# Altium PCB RTM_4SFP_3QSFP.PcbDoc (part 4 of 4) (continued)
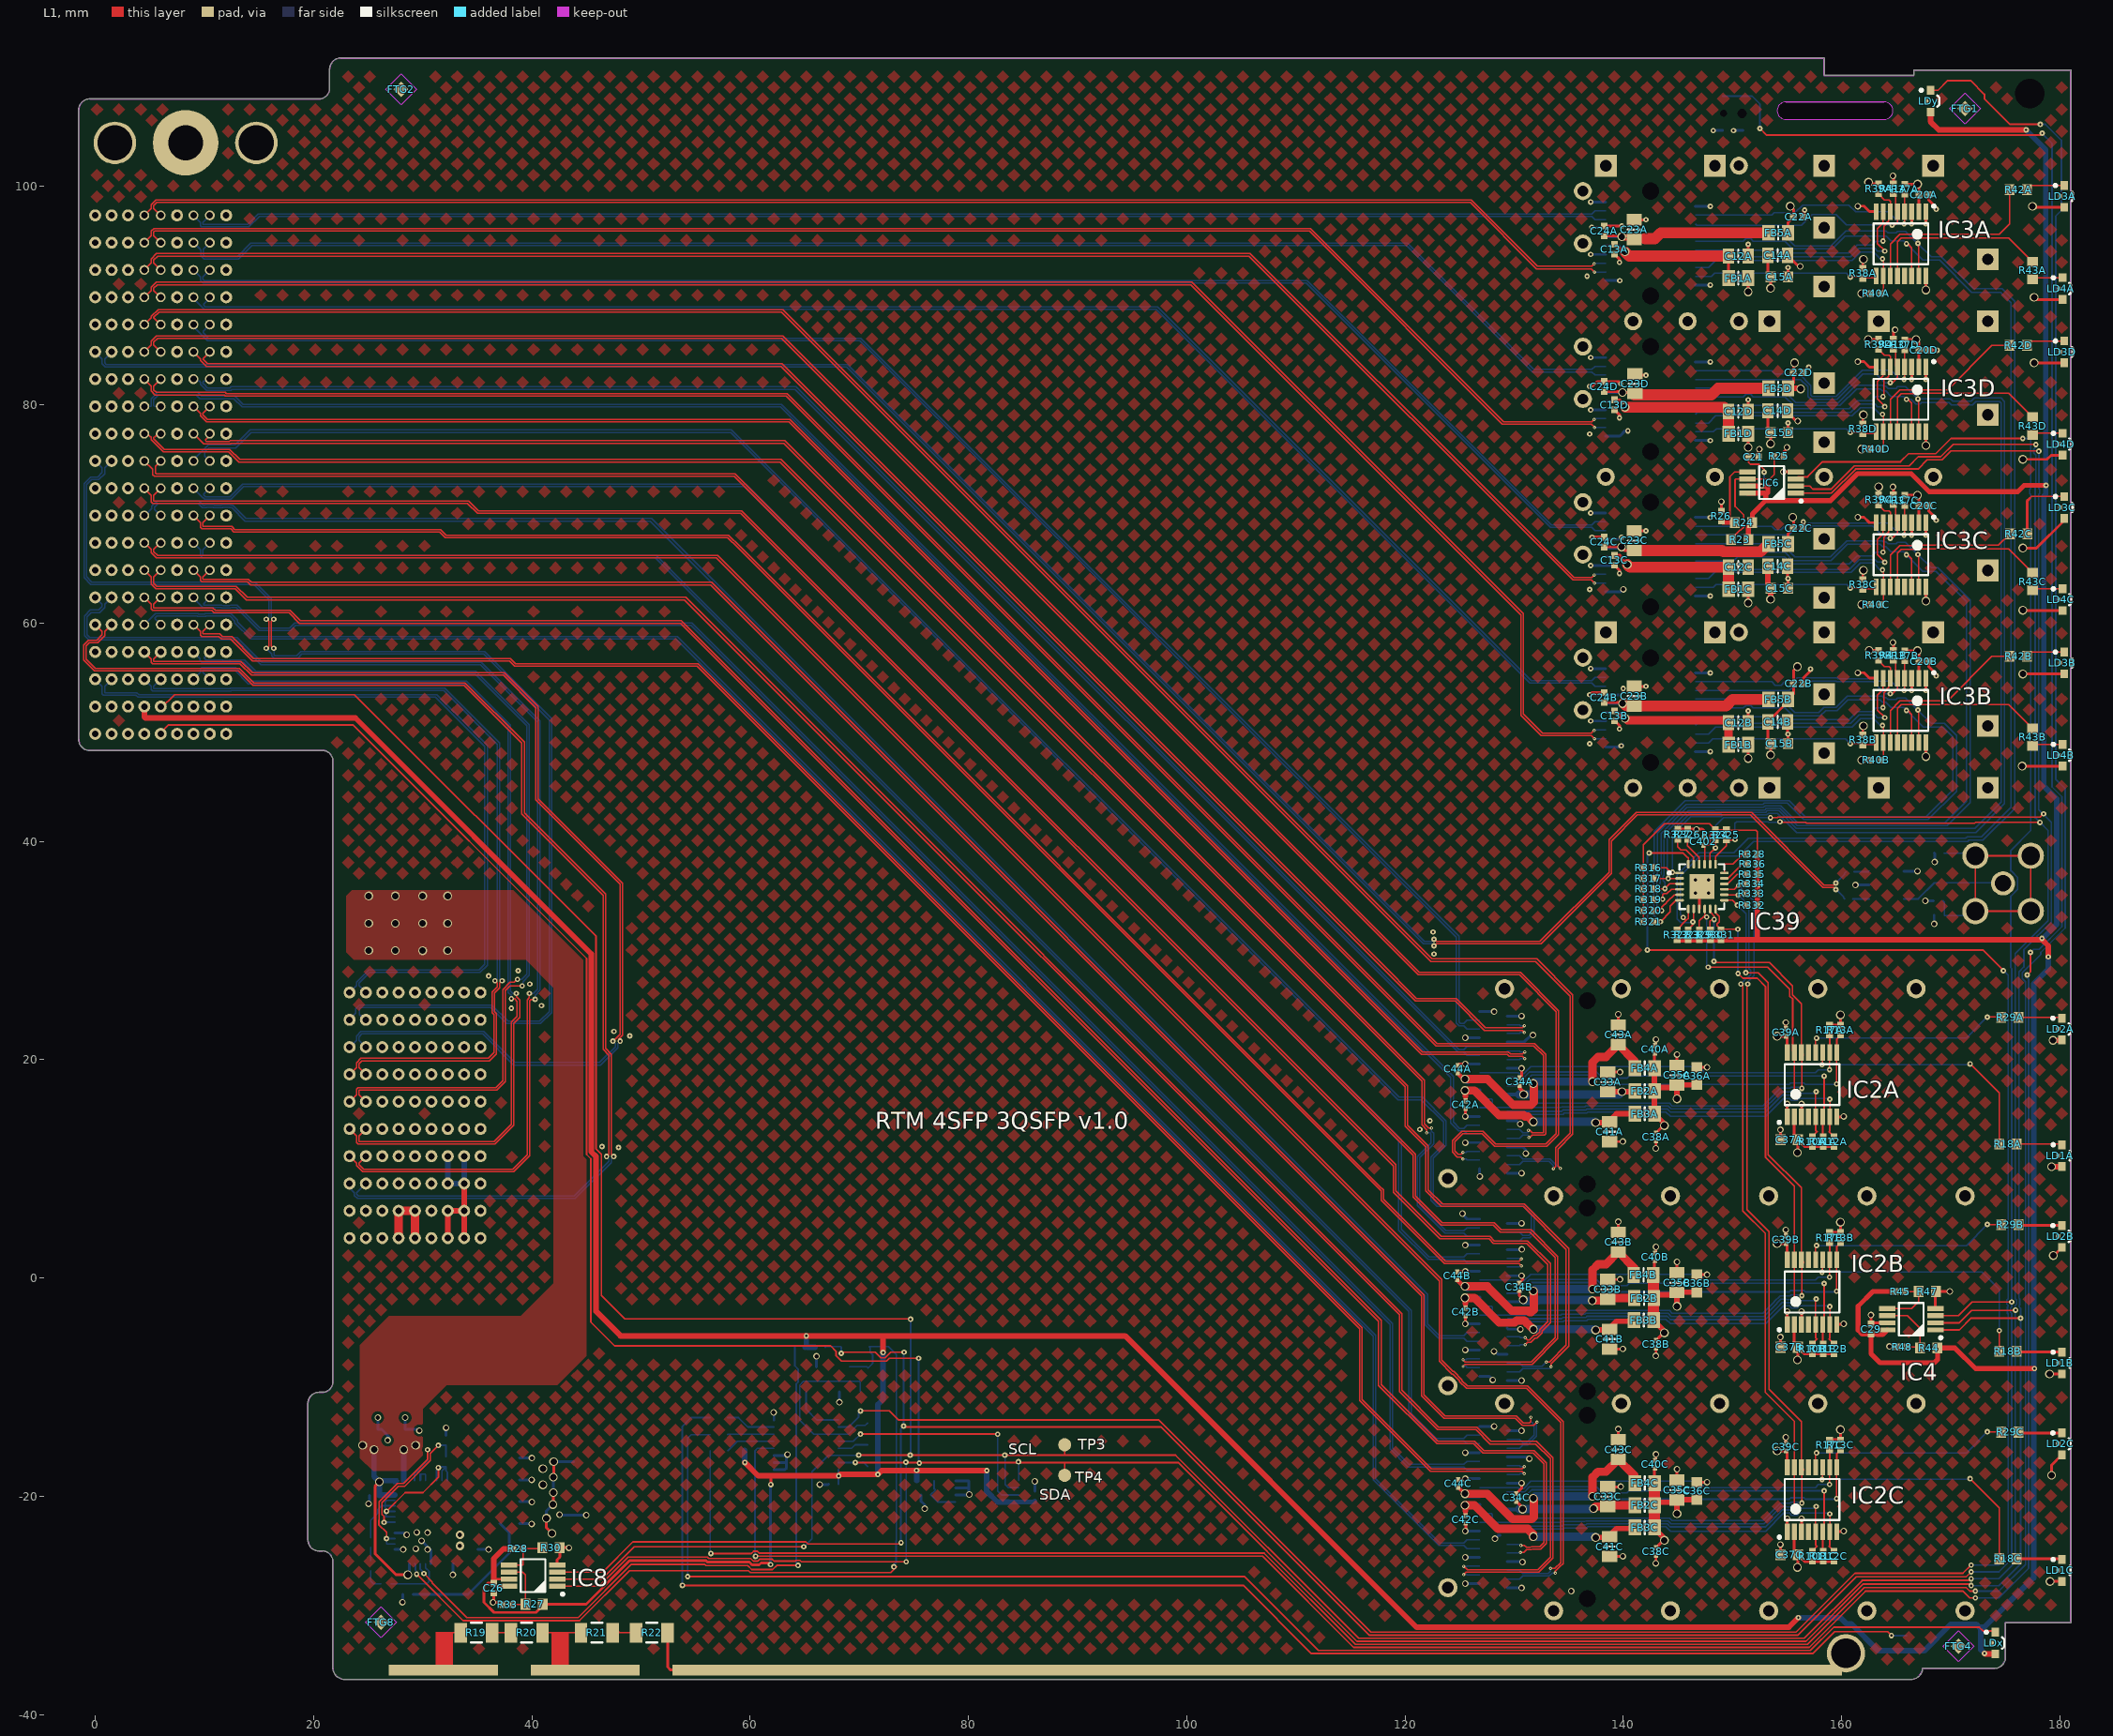
[diagram p0: L1 view]
## Nets (pads, with @x,y where several pads share a name; then routed paths per layer and width w, separated by ;. In a path a pad name is that pad's centre, name@x,y a point inside that pad or via, vN(x,y) a via of type N, cw(c..) or ccw(c..) an arc to the next point about the centre after c; other vN are vias at no path point) (continued)
SFP_VCCRB: C12B.1 C13B.1 CON1B.15 FB1B.2 | length 14.1
  L1 w0.254: C13B.1@139.2,51.95 139.511,51.639 139.626,51.639 139.789,51.476 139.789,51.361 v3@139.875,51.275
  L1 w0.762: v3@140.398,51.087 149.369,51.087 C12B.1@149.65,50.806 ; FB1B.2@149.65,49.299 C12B.1@149.65,50.806 ; C12B.1@149.65,50.806 149.718,50.806 C12B.1@149.65,50.875 C12B.1@149.65,50.806
  L4 w0.254: CON1B.15@138.4,51.825 139.6,51.825 v3@140.15,51.275
  other v3: 140.16,51.275
SFP_VCCRC: C12C.1 C13C.1 CON1C.15 FB1C.2 | length 14.7
  L1 w0.254: C13C.1@139.2,66.2 139.71,66.2 139.789,66.121 139.789,65.946 v3(140.381,65.354)
  L1 w1.016: v3(140.381,65.354) 140.61,65.125 C12C.1@149.65,65.125 FB1C.2@149.65,63.729
  L4 w0.254: CON1C.15@138.4,66.075 139.66,66.075 139.789,65.946 v3(140.381,65.354)
SFP_VCCRD: C12D.1 C13D.1 CON1D.15 FB1D.2 | length 15
  L1 w0.254: C13D.1@139.2,80.45 139.234,80.416 139.66,80.416 ; 139.71,80.416 139.66,80.416 ; v3@140.21,79.775 140.21,79.866 139.66,80.416
  L1 w1.016: v3@140.21,79.775 149.25,79.775 C12D.1@149.65,79.375 FB1D.2@149.65,77.35
  L4 w0.254: CON1D.15@138.4,80.325 139.61,80.325 v3(140.16,79.775)
SFP_VCCTA: C23A.1 C24A.1 CON1A.16 FB5A.2 | length 16.8
  L1 w0.254: C24A.1@138.25,95.475 139.867,95.475 140.675,95.475 C23A.1@141,95.15 v3@140.1,95.15
  L1 w1.016: 141.993,95.216 142.901,95.216 143.436,95.75 FB5A.2@153.3,95.75
  L4 w0.254: CON1A.16@138.4,95.375 139.844,95.375 v3(139.867,95.398)
SFP_VCCTB: C23B.1 C24B.1 CON1B.16 FB5B.2 | length 16.9
  L1 w0.254: C24B.1@138.25,52.725 139.826,52.725 v3(139.929,52.623)
  L1 w1.016: v3@140.041,52.663 140.304,52.4 C23B.1@141,52.4 149.427,52.4 150.027,53 FB5B.2@153.3,53
  L4 w0.254: CON1B.16@138.4,52.625 139.926,52.625 v3(139.929,52.623)
SFP_VCCTC: C23C.1 C24C.1 CON1C.16 FB5C.2 | length 17.1
  L1 w0.254: C24C.1@138.25,66.975 v3(139.841,66.975) 139.952,66.975 140.1,66.827 140.1,66.65 C23C.1@141,66.65
  L1 w1.016: C23C.1@141,66.65 149.04,66.65 149.16,66.531 152.458,66.531 152.458,66.535 152.585,66.535 FB5C.2@153.3,67.25
  L4 w0.254: CON1C.16@138.4,66.875 v3@139.818,66.875 ; v3@139.818,66.975 v3(139.841,66.975)
SFP_VCCTD: C23D.1 C24D.1 CON1D.16 FB5D.2 | length 17
  L1 w0.254: C24D.1@138.25,81.225 139.826,81.225 v3(139.929,81.123) 140.963,81.123 C23D.1@141.061,81.025
  L1 w1.016: C23D.1@141,80.9 141.061,80.9 148.078,80.9 148.678,81.5 FB5D.2@153.3,81.5
  L4 w0.254: CON1D.16@138.4,81.125 138.403,81.123 v3(139.929,81.123)
SMA_IO: C17.1 J3.1 | length 4.9
  L4 w0.169: C17.1@169.635,36.205 174.447,36.205 J3.1@174.507,36.145
TXDISABLEA: CON1A.3 IC3A.5 R41A.2 | length 22.3
  L1 w0.127: v1@164.593,96.471 164.632,96.471 164.69,96.529 164.904,96.529 165.125,96.75 IC3A.5@165.125,97.7 164.963,97.862 164.963,99.112 R41A.2@164.749,99.327
  L4 w0.127: CON1A.3@146.6,96.575 146.738,96.437 156.307,96.437 157.311,97.441 159.49,97.441 160.46,96.471 v1(164.635,96.471)
TXDISABLEB: CON1B.3 IC3B.5 R41B.2 | length 22.6
  L1 w0.127: v1@164.525,53.477 164.511,53.477 v1(164.469,53.52) ; R41B.2@164.749,56.577 164.963,56.362 164.963,55.112 IC3B.5@165.125,54.95 165.125,54 164.683,53.558 164.469,53.558 v1@164.431,53.558 ; v1@164.431,53.558 v1(164.469,53.52) ; v1@164.431,53.558 164.392,53.52 v1(164.469,53.52)
  L4 w0.127: CON1B.3@146.6,53.825 155.188,53.825 156.053,54.691 159.49,54.691 159.556,54.625 162.878,54.625 163.984,53.52 v1(164.469,53.52)
TXDISABLEC: CON1C.3 IC3C.5 R41C.2 | length 22.6
  L1 w0.127: v1@164.525,67.727 164.511,67.727 v1(164.469,67.77) ; R41C.2@164.749,70.827 164.963,70.612 164.963,69.362 IC3C.5@165.125,69.2 165.125,68.25 164.683,67.808 164.469,67.808 v1@164.431,67.808 ; v1@164.431,67.808 v1(164.469,67.77) ; v1@164.431,67.808 164.392,67.77 v1(164.469,67.77)
  L4 w0.127: CON1C.3@146.6,68.075 155.188,68.075 155.701,68.589 156.185,68.589 156.202,68.571 156.977,68.571 157.321,68.916 162.838,68.916 163.984,67.77 v1(164.469,67.77)
TXDISABLED: CON1D.3 IC3D.5 R41D.2 | length 24.3
  L1 w0.127: v1@164.525,81.977 164.511,81.977 v1(164.469,82.02) ; R41D.2@164.749,85.077 164.963,84.862 164.963,83.612 IC3D.5@165.125,83.45 165.125,82.5 164.683,82.058 164.469,82.058 v1@164.431,82.058 ; v1@164.431,82.058 v1(164.469,82.02) ; v1@164.431,82.058 164.392,82.02 v1(164.469,82.02)
  L4 w0.127: CON1D.3@146.6,82.325 156.229,82.325 156.905,81.649 156.905,80.77 157.195,80.48 159.605,80.48 161.964,82.839 163.165,82.839 163.984,82.02 v1(164.469,82.02)
TXFAULTA: CON1A.2 IC3A.4 R37A.1 | length 23
  L1 w0.127: v1(165.725,96.573) 165.775,96.623 IC3A.4@165.775,97.7 165.775,99.247 R37A.1@165.799,99.271
  L4 w0.127: CON1A.2@146.6,97.375 153.601,97.375 153.844,97.619 155.037,97.619 155.075,97.58 155.715,97.58 156.438,98.303 160.657,98.303 161.29,97.67 164.284,97.67 165.381,96.573 v1(165.725,96.573)
TXFAULTB: CON1B.2 IC3B.4 R37B.1 | length 22.7
  L1 w0.127: v1(165.725,53.823) 165.775,53.873 IC3B.4@165.775,54.95 165.775,56.497 R37B.1@165.799,56.521
  L4 w0.127: CON1B.2@146.6,54.625 153.601,54.625 153.925,54.301 154.475,54.301 154.84,54.665 155.633,54.665 155.938,54.97 159.605,54.97 159.671,54.904 162.994,54.904 163.233,54.665 164.538,54.665 165.381,53.823 v1(165.725,53.823)
TXFAULTC: CON1C.2 IC3C.4 R37C.1 | length 22.8
  L1 w0.127: v1(165.725,68.073) 165.775,68.123 IC3C.4@165.775,69.2 165.775,70.747 R37C.1@165.799,70.771
  L4 w0.127: CON1C.2@146.6,68.875 153.601,68.875 153.925,68.551 154.475,68.551 154.84,68.916 156.217,68.916 156.307,68.825 156.672,68.825 157.016,69.17 164.284,69.17 165.381,68.073 v1(165.725,68.073)
TXFAULTD: CON1D.2 IC3D.4 R37D.1 | length 24.7
  L1 w0.127: v1(165.725,82.323) 165.775,82.373 IC3D.4@165.775,83.45 165.775,84.997 R37D.1@165.799,85.021
  L4 w0.127: CON1D.2@146.6,83.125 153.601,83.125 153.925,82.801 156.134,82.801 157.184,81.75 157.184,80.886 157.311,80.759 159.49,80.759 161.896,83.166 164.538,83.166 165.381,82.323 v1(165.725,82.323)
pads on no net: CON1A.MTG1 CON1A.MTG2 CON1B.MTG1 CON1B.MTG2 CON1C.MTG1 CON1C.MTG2 CON1D.MTG1 CON1D.MTG2 FTG1.1 FTG2.1 FTG3.1 FTG4.1 FTG5.1 FTG6.1 FTG7.1 FTG8.1 IC1.23 IC1.24 IC1.25 IC1.27 IC1.28 IC1.29 IC1.30 IC1.32 IC1.33 IC1.34 IC1.40 IC1.41 IC2A.4 IC2A.13 IC2B.4 IC2B.13 IC2C.4 IC2C.13 IC3A.13 IC3B.13 IC3C.13 IC3D.13 J2.A4 J2.B4 J2.E1 J2.F2 J4.A7 J4.A8 J4.B7 J5A.MTG1 J5A.MTG2 J5B.MTG1 J5B.MTG2 J5C.MTG1 J5C.MTG2 J8.A9 J8.A10 J8.B9 J8.B10 J8.C1 J8.C2 J8.C3 J8.C4 J8.C5 J8.C6 J8.C7 J8.C8 J8.D1 J8.D2 J8.D3 J8.D4 J8.D5 J8.D6 J8.D7 J8.D8 J8.E1 J8.E2 J8.E3 J8.E4 J8.E5 J8.E6 J8.F1 J8.F2 J8.F3 J8.F4 J8.F5 J8.F6 LD1A.3 LD1B.3 LD1C.3 LD2A.3 LD2B.3 LD2C.3 LD3A.3 LD3B.3 LD3C.3 LD3D.3 LD4A.3 LD4B.3 LD4C.3 LD4D.3 LDx.3 LDy.3 PB1.5 PB1.10
copper on no net: | length 0.1
  L1 w0.3: -35.25,52.85 -35.25,52.95

## Polygon pours and split planes (outlines as drawn)
P12V0 on L4 "NONET_L-01_P-001" (solid, remove dead copper, pour order 18): 29.665,-14.878 30.115,-15.328 29.903,-15.54 29.903,-17.467 28.387,-18.983 28.387,-19.651 28.284,-19.651 26.025,-21.91 24.008,-21.91 22.5,-20.402 22.5,-15.101 22.723,-14.878
P3V3 on L4 "Signal Layer 1-No Net 1" (solid, remove dead copper, pour order 4): 32.891,-19.403 34.134,-19.403 34.266,-19.535 34.266,-22.408 34.611,-22.753 35.76,-22.753 36.041,-23.035 36.041,-24.028 38.266,-26.254 43.822,-26.254 46.541,-23.535 46.541,-14.036 43.605,-11.1 35.925,-11.1 32.891,-14.135
P12V0 on L4 "Signal Layer 1-No Net 1" (solid, pour order 0): -1.277,53.201 27.874,53.201 34,47.075 34,29.261 23,29.261 23,48.26 22.142,49.118 -1.268,49.118 -1.5,49.35 -1.5,53
no net on L4 "balancing_top" (solid, pour order 16): 158.374,111.75 21.476,111.75 21.476,108.102 -1.524,108.102 -1.524,48.953 21.476,48.953 21.476,-36.147 166.638,-36.147 166.764,-35.588 175.025,-35.446 175.025,-31.721 180.974,-31.551 181.024,109.957 158.374,109.957
P12V0 on L1 "Signal Layer 1-No Net 1" (solid, pour order 2): 23.5,35.5 39,35.5 45,29.5 45,-7.15 42.36,-9.79 32.211,-9.79 30,-12.001 30,-16.268 28.575,-17.694 25.45,-17.694 24.25,-16.494 24.25,-6.15 26.9,-3.5 39,-3.5 42,-0.5 42,26.593 39.448,29.145 23.692,29.145 23,29.837 23,35
no net on L1 "balancing_top" (solid, pour order 14): 158.374,111.506 21.476,111.506 21.476,108.102 -1.524,108.102 -1.524,48.953 21.476,48.953 21.476,-36.147 167.376,-36.147 175.025,-31.551 181.024,-31.576 181.024,110.176 158.374,110.176
GND on P2 (split plane): 146.071,44.714 140.069,38.712 140.04,38.67 140.031,38.62 140.031,30.68 140.04,30.63 140.069,30.588 141.78,28.877 141.78,-27.825 141.31,-28.296 126.052,-28.296 102.592,-4.835 102.55,-4.807 102.501,-4.797 22.285,-4.797 22.285,47.35 22.284,47.363 22.284,47.375 22.28,47.471 22.274,47.509 22.27,47.546 22.233,47.733 22.218,47.782 22.204,47.829 22.131,48.005 22.106,48.052 22.084,48.093 22.084,48.094 21.978,48.252 21.943,48.295 21.914,48.329 21.779,48.464 21.742,48.495 21.702,48.528 21.543,48.634 21.497,48.658 21.455,48.681 21.279,48.754 21.234,48.768 21.183,48.783 20.996,48.82 20.959,48.824 20.922,48.83 20.826,48.834 20.813,48.834 20.801,48.835 -0.499,48.835 -0.551,48.835 -0.651,48.855 -0.744,48.894 -0.828,48.95 -0.9,49.022 -0.956,49.106 -0.995,49.2 -1.015,49.299 -1.015,49.35 -1.015,106.999 -1.015,107.051 -0.995,107.15 -0.956,107.244 -0.9,107.328 -0.828,107.4 -0.744,107.456 -0.65,107.495 -0.551,107.515 -0.5,107.515 20.5,107.515 20.513,107.516 20.525,107.516 20.621,107.52 20.658,107.526 20.696,107.53 20.883,107.567 20.937,107.583 20.979,107.596 21.155,107.669 21.202,107.694 21.243,107.716 21.244,107.716 21.402,107.822 21.447,107.859 21.48,107.886 21.615,108.021 21.653,108.068 21.678,108.098 21.784,108.257 21.811,108.307 21.831,108.345 21.904,108.522 21.92,108.573 21.933,108.618 21.971,108.805 21.974,108.842 21.98,108.879 21.984,108.975 21.984,108.987 21.985,109 21.985,110.749 21.985,110.801 22.005,110.9 22.044,110.994 22.1,111.078 22.172,111.15 22.256,111.206 22.35,111.245 22.449,111.265 22.5,111.265 146.071,111.265
P3V3 on P2 (split plane): 214 vertices, not listed, extent 19.985,-36.266 180.514,111.265
GND on P3 (split plane): 308 vertices, not listed, extent -1.015,-36.266 180.514,111.265
NetJ2_e2 on P3 (split plane): 9.677,52.633 9.677,51.664 9.681,51.644 9.692,51.628 10.505,50.815 10.521,50.804 10.541,50.8 10.571,50.8 11.15,50.22 11.15,49.551 10.825,49.225 10.13,49.225 9.805,49.551 9.805,50.47 9.801,50.489 9.796,50.496 9.79,50.506 8.357,51.939 8.357,52.912 8.454,53.01 9.301,53.01

## Keep-outs
Keep-Out Layer:
  drawing of 14436 lines, arcs and shapes, not listed

## Other copper
L1:
  rectangle net ESD2: 41.8,-35.6 43.4,-32.45
  rectangle net ESD1: 31.2,-35.65 32.8,-32.45
  pour cut-out: 21.8,-35.25 53,-35.25 53,-36.75 21.8,-36.75
L4:
  rectangle net P12V0: 27.266,-18.891 27.766,-18.327
P2 (plane layer: these items are gaps in the copper):
  lines w0.254: 22.132,-4.927 102.501,-4.927 125.999,-28.425 141.364,-28.425 141.91,-27.879 141.91,28.93 140.16,30.68 140.16,38.62 146.2,44.66 146.2,111.75
P3 (plane layer: these items are gaps in the copper):
  rectangle: 128.469,-27.001 130.247,-26.595
  rectangle: 128.469,-27.801 130.247,-27.395
  rectangle: 125.959,-26.601 127.737,-26.195
  rectangle: 125.959,-27.401 127.737,-26.995
  rectangle: 128.469,-24.601 130.247,-24.195
  rectangle: 128.469,-25.401 130.247,-24.995
  rectangle: 125.959,-24.201 127.737,-23.795
  rectangle: 125.959,-25.001 127.737,-24.595
  rectangle: 128.469,-17.401 130.247,-16.995
  rectangle: 128.469,-18.201 130.247,-17.795
  rectangle: 125.959,-17.001 127.737,-16.595
  rectangle: 125.959,-17.801 127.737,-17.395
  rectangle: 128.469,-15.001 130.247,-14.595
  rectangle: 128.469,-15.801 130.247,-15.395
  rectangle: 125.959,-14.601 127.737,-14.195
  rectangle: 125.959,-15.401 127.737,-14.995
  rectangle: 128.469,-8.001 130.247,-7.595
  rectangle: 128.469,-8.801 130.247,-8.395
  rectangle: 125.959,-7.601 127.737,-7.195
  rectangle: 125.959,-8.401 127.737,-7.995
  rectangle: 128.469,-5.601 130.247,-5.195
  rectangle: 128.469,-6.401 130.247,-5.995
  rectangle: 125.959,-5.201 127.737,-4.795
  rectangle: 125.959,-6.001 127.737,-5.595
  rectangle: 128.469,1.599 130.247,2.005
  rectangle: 128.469,0.799 130.247,1.205
  rectangle: 125.959,1.999 127.737,2.405
  rectangle: 125.959,1.199 127.737,1.605
  rectangle: 128.469,3.999 130.247,4.405
  rectangle: 128.469,3.199 130.247,3.605
  rectangle: 125.959,4.399 127.737,4.805
  rectangle: 125.959,3.599 127.737,4.005
  rectangle: 128.469,10.999 130.247,11.405
  rectangle: 128.469,10.199 130.247,10.605
  rectangle: 125.959,11.399 127.737,11.805
  rectangle: 125.959,10.599 127.737,11.005
  rectangle: 128.469,13.399 130.247,13.805
  rectangle: 128.469,12.599 130.247,13.005
  rectangle: 125.959,13.799 127.737,14.205
  rectangle: 125.959,12.999 127.737,13.405
  rectangle: 128.469,20.599 130.247,21.005
  rectangle: 128.469,19.799 130.247,20.205
  rectangle: 125.959,20.999 127.737,21.405
  rectangle: 125.959,20.199 127.737,20.605
  rectangle: 128.469,22.999 130.247,23.405
  rectangle: 128.469,22.199 130.247,22.605
  rectangle: 125.959,22.599 127.737,23.005
  rectangle: 125.959,23.399 127.737,23.805
  rectangle: 137.643,49.224 139.167,49.63
  rectangle: 137.643,50.024 139.167,50.43
  rectangle: 137.643,54.024 139.167,54.43
  rectangle: 137.643,54.824 139.167,55.23
  rectangle: 137.636,63.468 139.16,63.874
  rectangle: 137.643,64.274 139.167,64.68
  rectangle: 137.643,68.274 139.167,68.68
  rectangle: 137.643,69.074 139.167,69.48
  rectangle: 137.636,77.718 139.16,78.124
  rectangle: 137.643,78.524 139.167,78.93
  rectangle: 137.643,82.524 139.167,82.93
  rectangle: 137.643,83.324 139.167,83.73
  rectangle: 137.636,91.968 139.16,92.374
  rectangle: 137.643,92.774 139.167,93.18
  rectangle: 137.643,97.574 139.167,97.98
  rectangle: 137.643,96.774 139.167,97.18
  lines w0.1: 8.306,51.918 8.306,52.934 8.433,53.061 9.322,53.061 9.728,52.654 9.728,51.664 10.541,50.851 10.592,50.851 11.201,50.241 11.201,49.53 10.846,49.174 10.109,49.174 9.754,49.53 9.754,50.47 8.306,51.918
Multi-Layer:
  circle w0.2: c-7.5,-43 r1.5
  circle w0.2: c-7.5,-43 r2.5
  circle w0.2: c-7.5,-43 r1.5
  circle w0.2: c-7.5,-43 r2.5
  circle w0.2: c-7.5,-43 r1.5
  circle w0.2: c-7.5,-43 r2.5
  circle w0.2: c-7.5,-43 r1.5
  circle w0.2: c-7.5,-43 r2.5
  circle w0.2: c-7.5,-43 r1.5
  circle w0.2: c-7.5,-43 r2.5
  circle w0.2: c-7.5,-43 r1.5
  circle w0.2: c-7.5,-43 r2.5
  circle w0.2: c-7.5,-43 r1.5
  circle w0.2: c-7.5,-43 r2.5
  circle w0.2: c-7.5,-43 r1.5
  circle w0.2: c-7.5,-43 r2.5
  circle w0.2: c-7.5,-43 r1.5
  circle w0.2: c-7.5,-43 r2.5
  circle w0.2: c-7.5,-43 r1.5
  circle w0.2: c-7.5,-43 r2.5
  circle w0.2: c-7.5,-43 r1.5
  circle w0.2: c-7.5,-43 r2.5
  circle w0.2: c-7.5,-43 r1.5
  circle w0.2: c-7.5,-43 r2.5
  circle w0.2: c-7.5,-43 r1.5
  circle w0.2: c-7.5,-43 r2.5
  circle w0.2: c-7.5,-43 r1.5
  circle w0.2: c-7.5,-43 r2.5
  circle w0.2: c-7.5,-43 r1.5
  circle w0.2: c-7.5,-43 r2.5
  circle w0.2: c-7.5,-43 r1.5
  circle w0.2: c-7.5,-43 r2.5
  circle w0.2: c-7.5,-43 r1.5
  circle w0.2: c-7.5,-43 r2.5
  circle w0.2: c-7.5,-43 r1.5
  circle w0.2: c-7.5,-43 r2.5
  circle w0.2: c-7.5,-43 r1.5
  circle w0.2: c-7.5,-43 r2.5
  circle w0.2: c-7.5,-43 r2.5
  circle w0.2: c-7.5,-43 r1.5
  circle w0.2: c-7.5,119 r2.5
  circle w0.2: c-7.5,119 r1.5
  circle w0.2: c-7.5,119 r2.5
  circle w0.2: c-7.5,119 r1.5
  circle w0.2: c-7.5,119 r1.5
  circle w0.2: c-7.5,119 r2.5
  circle w0.2: c-7.5,119 r2.5
  circle w0.2: c-7.5,119 r1.5
  circle w0.2: c-7.5,119 r2.5
  circle w0.2: c-7.5,119 r1.5
  circle w0.2: c-7.5,119 r2.5
  circle w0.2: c-7.5,119 r1.5
  circle w0.2: c-7.5,119 r2.5
  circle w0.2: c-7.5,119 r1.5
  circle w0.2: c-7.5,119 r2.5
  circle w0.2: c-7.5,119 r1.5
  circle w0.2: c-7.5,119 r2.5
  circle w0.2: c-7.5,119 r1.5
  circle w0.2: c-7.5,119 r2.5
  circle w0.2: c-7.5,119 r1.5
  circle w0.2: c-7.5,119 r2.5
  circle w0.2: c-7.5,119 r1.5
  circle w0.2: c-7.5,119 r2.5
  circle w0.2: c-7.5,119 r1.5
  circle w0.2: c-7.5,119 r2.5
  circle w0.2: c-7.5,119 r1.5
  circle w0.2: c-7.5,119 r2.5
  circle w0.2: c-7.5,119 r1.5
  circle w0.2: c-7.5,119 r2.5
  circle w0.2: c-7.5,119 r1.5
  circle w0.2: c-7.5,119 r2.5
  circle w0.2: c-7.5,119 r1.5
  circle w0.2: c-7.5,119 r1.5
  circle w0.2: c-7.5,119 r2.5
  circle w0.2: c-7.5,119 r2.5
  circle w0.2: c-7.5,119 r1.5
  circle w0.2: c-7.5,119 r2.5
  circle w0.2: c-7.5,119 r1.5
  circle w0.2: c-7.5,119 r2.5
  circle w0.2: c-7.5,119 r1.5
  circle w0.2: c-7.5,119 r2.5
  circle w0.2: c-7.5,119 r1.5
  circle w0.2: c-7.5,119 r2.5
  circle w0.2: c-7.5,119 r1.5
  circle w0.2: c-7.5,119 r2.5
  circle w0.2: c-7.5,119 r1.5
  circle w0.2: c-7.5,119 r2.5
  circle w0.2: c-7.5,119 r1.5
  circle w0.2: c-7.5,119 r2.5
  circle w0.2: c-7.5,119 r1.5
  circle w0.2: c-7.5,119 r1.5
  circle w0.2: c-7.5,119 r2.5
  circle w0.2: c-7.5,-43 r1.5
  circle w0.2: c-7.5,-43 r2.5
  lines w0.2: -11,-43 -4,-43 ; -11,-43 -4,-43 ; -11,-43 -4,-43 ; -11,-43 -4,-43 ; -11,-43 -4,-43 ; -11,-43 -4,-43 ; -11,-43 -4,-43 ; -11,-43 -4,-43 ; -11,-43 -4,-43 ; -11,-43 -4,-43 ; -11,-43 -4,-43 ; -11,-43 -4,-43 ; -11,-43 -4,-43 ; -11,-43 -4,-43 ; -11,-43 -4,-43 ; -11,-43 -4,-43 ; -11,-43 -4,-43 ; -11,-43 -4,-43 ; -11,-43 -4,-43 ; -11,-43 -4,-43 ; -11,-43 -4,-43 ; -11,119 -4,119 ; -11,119 -4,119 ; -11,119 -4,119 ; -11,119 -4,119 ; -11,119 -4,119 ; -11,119 -4,119 ; -11,119 -4,119 ; -11,119 -4,119 ; -11,119 -4,119 ; -11,119 -4,119 ; -11,119 -4,119 ; -11,119 -4,119 ; -11,119 -4,119 ; -11,119 -4,119 ; -11,119 -4,119 ; -11,119 -4,119 ; -11,119 -4,119 ; -11,119 -4,119 ; -11,119 -4,119 ; -11,119 -4,119 ; -11,119 -4,119 ; -11,119 -4,119 ; -11,119 -4,119 ; -11,119 -4,119 ; -11,119 -4,119 ; -11,119 -4,119 ; -7.5,-46.5 -7.5,-39.5 ; -7.5,-46.5 -7.5,-39.5 ; -7.5,-46.5 -7.5,-39.5 ; -7.5,-46.5 -7.5,-39.5 ; -7.5,-46.5 -7.5,-39.5 ; -7.5,-46.5 -7.5,-39.5 ; -7.5,-46.5 -7.5,-39.5 ; -7.5,-46.5 -7.5,-39.5 ; -7.5,-46.5 -7.5,-39.5 ; -7.5,-46.5 -7.5,-39.5 ; -7.5,-46.5 -7.5,-39.5 ; -7.5,-46.5 -7.5,-39.5 ; -7.5,-46.5 -7.5,-39.5 ; -7.5,-46.5 -7.5,-39.5 ; -7.5,-46.5 -7.5,-39.5 ; -7.5,-46.5 -7.5,-39.5 ; -7.5,-46.5 -7.5,-39.5 ; -7.5,-46.5 -7.5,-39.5 ; -7.5,-46.5 -7.5,-39.5 ; -7.5,-46.5 -7.5,-39.5 ; -7.5,-46.5 -7.5,-39.5 ; -7.5,115.5 -7.5,122.5 ; -7.5,115.5 -7.5,122.5 ; -7.5,115.5 -7.5,122.5 ; -7.5,115.5 -7.5,122.5 ; -7.5,115.5 -7.5,122.5 ; -7.5,115.5 -7.5,122.5 ; -7.5,115.5 -7.5,122.5 ; -7.5,115.5 -7.5,122.5 ; -7.5,115.5 -7.5,122.5 ; -7.5,115.5 -7.5,122.5 ; -7.5,115.5 -7.5,122.5 ; -7.5,115.5 -7.5,122.5 ; -7.5,115.5 -7.5,122.5 ; -7.5,115.5 -7.5,122.5 ; -7.5,115.5 -7.5,122.5 ; -7.5,115.5 -7.5,122.5 ; -7.5,115.5 -7.5,122.5 ; -7.5,115.5 -7.5,122.5 ; -7.5,115.5 -7.5,122.5 ; -7.5,115.5 -7.5,122.5 ; -7.5,115.5 -7.5,122.5 ; -7.5,115.5 -7.5,122.5 ; -7.5,115.5 -7.5,122.5 ; -7.5,115.5 -7.5,122.5 ; -7.5,115.5 -7.5,122.5 ; -7.5,115.5 -7.5,122.5

## Silkscreen, mask and mechanical layers (free items; w line width, h text height)
Top Overlay:
  text "RTM 4SFP 3QSFP v1.0" at 71.45,13.65 h1.52
  text "SCL" at 83.668,-16.18 h1
  text "SDA" at 86.487,-20.352 h1
Bottom Overlay:
  text "RTM 4SFP 3QSFP v1.0" at 99.6,17.1 h1.52
Top Solder:
  rectangle: 53,-36.75 158.3,-35.45
Bottom Solder:
  rectangle: 146.126,34.73 148.311,36.881
Mechanical 1:
  circle w0.1: c150.7,112.85 r0.5
  circle w0.1: c152.7,112.85 r0.5
  circle w0.1: c152.7,116.85 r0.5
  circle w0.1: c150.7,116.85 r0.5
  circle w0.1: c154.2,113.85 r0.2
  circle w0.1: c154.2,115.85 r0.2
  lines w0.05: 158.398,110.151 166.638,110.151 166.638,110.651 180.999,110.651 180.999,-31.551 175,-31.551 175,-34.751 ; 166.4,-36.75 22.8,-36.75 cw(c22.8,-35.75) 21.8,-35.75 21.8,-26 ccw(c20.8,-26) 20.8,-25 20.5,-25 cw(c20.5,-24) 19.5,-24 19.5,-11.5 cw(c20.5,-11.5) 20.5,-10.5 20.8,-10.5 ccw(c20.8,-9.5) 21.8,-9.5 21.8,47.35 ccw(c20.8,47.35) 20.8,48.35 -0.5,48.35 cw(c-0.5,49.35) -1.5,49.35 -1.5,107 cw(c-0.5,107) -0.5,108 20.5,108 ccw(c20.5,109) 21.5,109 21.5,110.75 cw(c22.5,110.75) 22.5,111.75 158.4,111.75 158.4,110.149 166.65,110.149 166.65,110.649 ; 166.404,-36.751 ccw(c166.404,-35.751) 167.404,-35.751 174.004,-35.751 ccw(c174.004,-34.751) 175.004,-34.751 ; 154.904,106.149 cw(c154.904,106.949) 154.904,107.749 163.903,107.749 cw(c163.904,106.949) 163.904,106.149 154.904,106.149
  lines w0.1: 150.7,113.35 150.7,113.45 150.7,113.85 154,113.85 ; 150.7,116.35 150.7,115.85 154,115.85 ; 152.7,113.35 152.7,113.85 ; 152.7,115.85 152.7,116.35 ; 154.4,115.75 155,114.25
  text "D" at 150.5,116.55 h0.8
  text "B" at 152.5,116.55 h0.8
  text "C" at 150.5,112.65 h0.8
  text "A" at 152.5,112.65 h0.8
Mechanical 8:
  lines w0.1: 184.9,-37.047 184.9,44.256
Mechanical 13:
  text ".Layer_Name" at 1,137.95 h1.5
  text ".Project_LPNr" at 1,134.95 h1.5
Measurement Layer:
  lines w0.1: -26.5,0 218.5,0 ; 0,-60 0,134
  text "J1" at -3.055,131.015 h1.5
  text "J1" at 5.1,-53.45 h1.5
Drill Drawing:
  drawing of 603 lines, arcs and shapes, not listed
  text "Layer" at 34.049,169.456 h1.52
  text "Name" at 44.46,169.456 h1.52
  text "Material" at 68.076,169.456 h1.52
  text "Thickness" at 89.914,169.456 h1.52
  text "Constant" at 106.42,169.456 h1.52
  text "Board Layer Stack" at 120.894,169.456 h1.52
  text "Board Layer Stack" at 149.334,169.456 h1.52
  text "Top Overlay" at 44.46,166.408 h1.52
  text "Top Solder" at 44.46,163.36 h1.52
  text "Solder Resist" at 68.076,163.36 h1.52
  text "0,010mm" at 89.914,163.36 h1.52
  text "3,5" at 106.42,163.36 h1.52
  text "1" at 34.049,160.312 h1.52
  text "L1" at 44.46,160.312 h1.52
  text "Copper" at 68.076,160.312 h1.52
  text "0,030mm" at 89.914,160.312 h1.52
  text "Dielectric1" at 44.46,157.264 h1.52
  text "FR408" at 68.076,157.264 h1.52
  text "0,099mm" at 89.914,157.264 h1.52
  text "3,54" at 106.42,157.264 h1.52
  text "2" at 34.049,154.216 h1.52
  text "P2" at 44.46,154.216 h1.52
  text "Copper" at 68.076,154.216 h1.52
  text "0,036mm" at 89.914,154.216 h1.52
  text "Dielectric 3" at 44.46,151.168 h1.52
  text "FR408" at 68.076,151.168 h1.52
  text "1,250mm" at 89.914,151.168 h1.52
  text "3,54" at 106.42,151.168 h1.52
  text "3" at 34.049,148.12 h1.52
  text "P3" at 44.46,148.12 h1.52
  text "Copper" at 68.076,148.12 h1.52
  text "0,036mm" at 89.914,148.12 h1.52
  text "Dielectric 2" at 44.46,145.072 h1.52
  text "FR408" at 68.076,145.072 h1.52
  text "0,099mm" at 89.914,145.072 h1.52
  text "3,54" at 106.42,145.072 h1.52
  text "4" at 34.049,142.024 h1.52
  text "L4" at 44.46,142.024 h1.52
  text "Copper" at 68.076,142.024 h1.52
  text "0,030mm" at 89.914,142.024 h1.52
  text "Bottom Solder" at 44.46,138.976 h1.52
  text "Solder Resist" at 68.076,138.976 h1.52
  text "0,010mm" at 89.914,138.976 h1.52
  text "3,5" at 106.42,138.976 h1.52
  text "Bottom Overlay" at 44.46,135.928 h1.52
  text "IMPEDANCE CONTROL: all diff lines are 100R" at 33.833,128.295 h2
Mechanical 30:
  circle w0.2: c285.668,175.301 r1.5
  circle w0.2: c285.668,175.301 r2.5
  circle w0.2: c-7.5,119 r1.5
  circle w0.2: c-7.5,119 r2.5
  circle w0.2: c-7.5,-43 r2.5
  circle w0.2: c-7.5,-43 r1.5
  lines w0.2: -11,-43 -4,-43 ; -11,119 -4,119 ; -7.5,-46.5 -7.5,-39.5 ; -7.5,115.5 -7.5,122.5 ; 214.737,7.698 221.737,7.698 ; 285.668,171.801 285.668,178.801
Mechanical 31:
  circle w0.2: c285.668,175.301 r1.5
  circle w0.2: c285.668,175.301 r2.5
  circle w0.2: c-7.5,119 r1.5
  circle w0.2: c-7.5,119 r2.5
  circle w0.2: c-7.5,-43 r2.5
  circle w0.2: c-7.5,-43 r1.5
  lines w0.2: -11,-43 -4,-43 ; -11,119 -4,119 ; -7.5,-46.5 -7.5,-39.5 ; -7.5,115.5 -7.5,122.5 ; 214.737,7.698 221.737,7.698 ; 285.668,171.801 285.668,178.801

## Dimensions
0,134 to 179.6,72.8 on Measurement Layer
218.5,0 to 21.475,110.749 on Measurement Layer
218.5,0 to 22.5,111.775 on Measurement Layer
218.5,0 to 22.499,111.775 on Measurement Layer
218.5,0 to 158.425,111.75 on Measurement Layer
218.5,0 to 176,-31.55 on Measurement Layer
218.5,0 to 175.029,-34.751 on Measurement Layer
218.5,0 to 181.024,-31.551 on Measurement Layer
218.5,0 to 180.999,-31.576 on Measurement Layer
-26.5,0 to 166.613,110.651 on Measurement Layer
0,-60 to 166.65,110.649 on Measurement Layer
218.5,0 to 166.65,110.149 on Measurement Layer
218.5,0 to 174.004,-35.751 on Measurement Layer
0,-60 to 167.404,-35.751 on Measurement Layer
0,134 to -1.5,107 on Measurement Layer
0,-60 to 172.4,-25.35 on Measurement Layer
0,-60 to 19.5,-24 on Measurement Layer
-26.5,0 to 20.5,-10.5 on Measurement Layer
218.5,0 to 158.4,111.75 on Measurement Layer
-26.5,0 to -0.5,108 on Measurement Layer
218.5,0 to 180.001,110.649 on Measurement Layer
218.5,0 to 179.6,8.2 on Measurement Layer
218.5,0 to 166.4,-36.75 on Measurement Layer
-26.5,0 to -0.5,48.35 on Measurement Layer
-26.5,0 to 22.8,-36.75 on Measurement Layer
-26.5,0 to 20.5,-25 on Measurement Layer
0,134 to 154.904,107.749 on Measurement Layer
0,134 to 21.5,110.75 on Measurement Layer
0,134 to 164.469,106.383 on Measurement Layer
0,134 to 158.4,111.75 on Measurement Layer
0,134 to 158.425,111.75 on Measurement Layer
0,-60 to 175,-32.55 on Measurement Layer
0,49.85 to -26.5,0 on Measurement Layer
20.5,109 to 23.1,104.65 on Measurement Layer
-0.5,49.35 to -4.512,45.338 on Measurement Layer
166.404,-35.751 to 166.3,-40.15 on Measurement Layer
174,-34.75 to 177.91,-38.66 on Measurement Layer
163.904,106.949 to 170.183,113.229 on Measurement Layer
22.5,110.75 to 24.8,114.25 on Measurement Layer
178.55,-1.5 to 158.4,111.75 on Measurement Layer
178.55,5.7 to 158.4,111.75 on Measurement Layer
178.55,102.1 to 158.4,111.75 on Measurement Layer
178.55,95.1 to 158.4,111.75 on Measurement Layer
178.55,88.1 to 158.4,111.75 on Measurement Layer
178.55,81.1 to 158.4,111.75 on Measurement Layer
173.626,-28.626 to -0.501,108.025 on Measurement Layer

## Text inside footprints (layer, text, board x,y; h text height)
Cage1: Drill Drawing "PRESS-FIT TECHNOLOGY" at 174.225,4.675 h1 r90; Drill Drawing "23x diam. 1.05mm +/-0.05" at 175.61,6.65 h1 r90; Mechanical 8 "Component and Trace Keepout" at 155.186,14.125 h1.5 r90; Mechanical 8 "(Exept Chassis Ground)" at 157.98,11 h1.5 r90
Cage2: Drill Drawing "20x diam. 0.95mm +/-0.05" at 163.1,49.8 h1 r270; Drill Drawing "26x diam. 1.05mm +/-0.05" at 165.18,49.7 h1 r270; Drill Drawing "PRESS-FIT TECHNOLOGY" at 160.755,52.5 h1 r270
J1: Mechanical 8 "PCB Edge" at -2.87,100.575 h1 r270
J2: Bottom Overlay "A1" at -2.95,49.85 h1.1 r270; Bottom Overlay "A10" at -2.95,70.35 h1.1 r270; Drill Drawing "PRESS-FIT TECHNOLOGY" at 13.2,53.45 h1 r270; Drill Drawing "diam. 0.6mm +0.06 -0" at -3.05,53 h1 r270; Mechanical 14 "A1" at -2.95,49.85 h1.1 r270; Mechanical 14 "A10" at -2.95,70.35 h1.1 r270; Mechanical 8 "PCB Edge" at -2.865,58.05 h1 r270
J4: Bottom Overlay "A1" at -2.95,74.85 h1.1 r270; Bottom Overlay "A10" at -2.95,95.35 h1.1 r270; Drill Drawing "PRESS-FIT TECHNOLOGY" at 13.2,78.45 h1 r270; Drill Drawing "diam. 0.6mm +0.06 -0" at -3.05,78 h1 r270; Mechanical 14 "A1" at -2.95,74.85 h1.1 r270; Mechanical 14 "A10" at -2.95,95.35 h1.1 r270; Mechanical 8 "PCB Edge" at -2.865,83.05 h1 r270
J5A: Bottom Overlay "1" at 131.3,23.6 h1; Bottom Overlay "20" at 124.9,9.6 h1; Bottom Overlay "38" at 124.9,24 h1; Mechanical 14 "38" at 124.9,24 h1; Mechanical 14 "20" at 124.9,9.6 h1; Mechanical 14 "1" at 131.3,23.6 h1
J5B: Bottom Overlay "1" at 131.3,4.6 h1; Bottom Overlay "20" at 124.9,-9.4 h1; Bottom Overlay "38" at 124.9,5 h1; Mechanical 14 "38" at 124.9,5 h1; Mechanical 14 "20" at 124.9,-9.4 h1; Mechanical 14 "1" at 131.3,4.6 h1
J5C: Bottom Overlay "1" at 131.3,-14.4 h1; Bottom Overlay "20" at 124.9,-28.4 h1; Bottom Overlay "38" at 124.9,-14 h1; Mechanical 14 "38" at 124.9,-14 h1; Mechanical 14 "20" at 124.9,-28.4 h1; Mechanical 14 "1" at 131.3,-14.4 h1
J8: Bottom Overlay "1" at 36.95,25.575 h1.2; Bottom Overlay "10" at 38.35,3.025 h1.2; Drill Drawing "PRESS-FIT TECHNOLOGY" at 21.035,6.15 h1 r270; Drill Drawing "diam. 0.6mm +/-0.05" at 19.425,6.55 h1 r270; Mechanical 14 "1" at 36.95,25.575 h1.2; Mechanical 14 "10" at 38.35,3.025 h1.2; Mechanical 8 "PCB EDGE" at 20.07,9.925 h1.2 r270